# Allegro board FH8852v310_FH8856V310_APP_BOARD_V1.brd (continued)
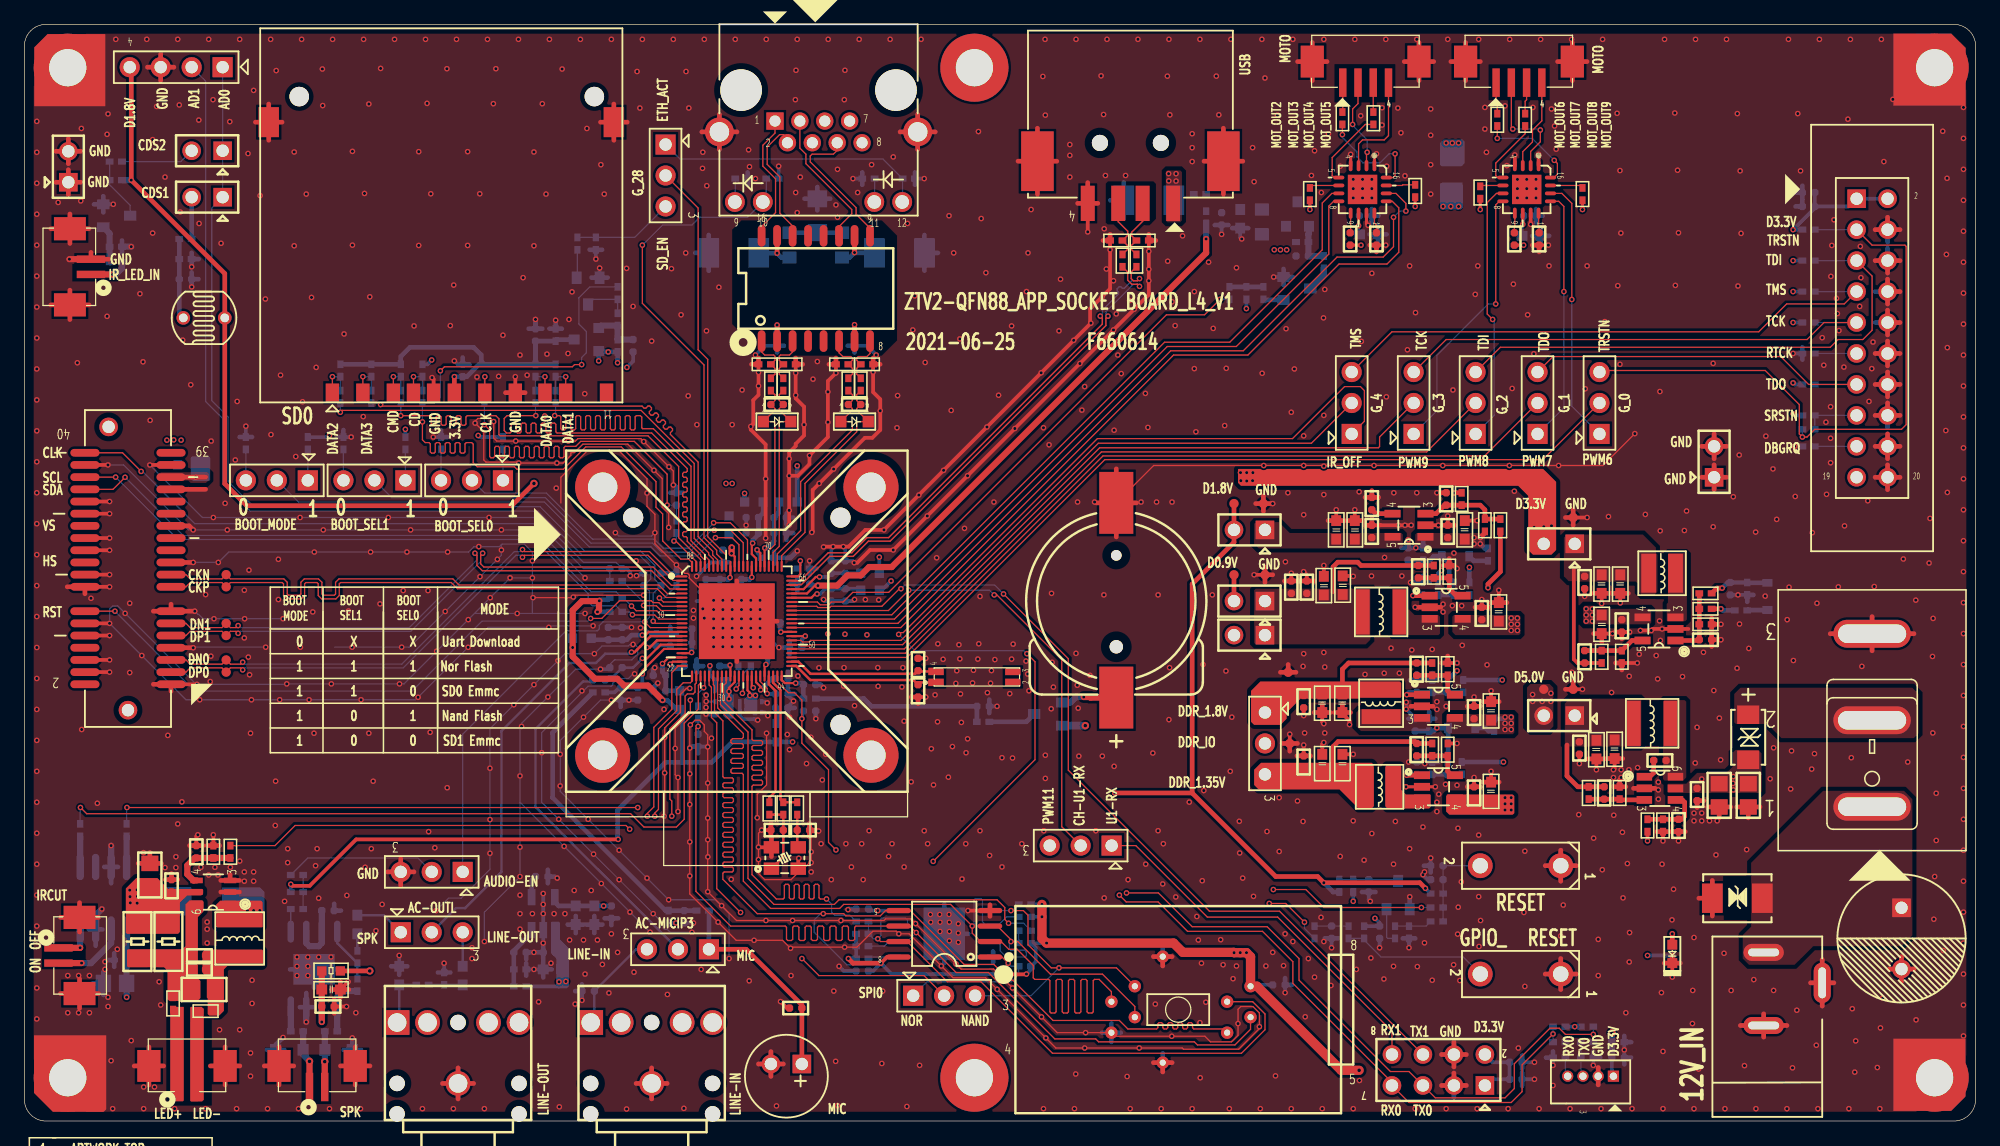
[diagram p0: board, top side]
## Routing (per net, layer and track width the routed paths; a pad name or vN(x,y) marks a point on that pad's centre or on a via; arc(x,y) is an arc through that point) (continued)
CIS_SCL: length 54.2
  TOP w0.102: U14.11 52.02,41.2 51.69,41.53 49.89,41.53 v1(49.86,41.55) ; J3.36 v1(7.48,52.84)
  BOTTOM w0.102: v1(49.86,41.55) 49.63,41.78 R34.2 48.51,42.29 46.56,42.29 46.23,42.62 46.23,43.28 41.78,47.73 12.6,47.73 v1(7.48,52.84)
CIS_SDA: length 54
  TOP w0.102: J3.34 7.27,51.84 v1(8.26,52.83) ; U14.10 52.18,41.55 51.85,41.88 50.17,41.88 v1(49.78,42.27)
  BOTTOM w0.102: v1(8.26,52.83) 13.03,48.06 41.86,48.06 46.48,43.43 48.51,43.43 R35.2 49.12,42.93 v1(49.78,42.27)
CLK_IN: length 10.8
  TOP w0.203: R39.2 61.09,26.54 61.59,27.05 61.59,35.3 61.05,35.85 U14.41
CLK_OUT: length 11.8
  TOP w0.203: R41.2 R40.1 62,26.39 62,35.36 61.4,35.97 U14.42
DDR_D1.8V: length 9.5
  TOP w0.381: 108.08,35.18 108.08,37.08 108.58,37.59 C27.1 R14.2
DDR_D1.35V: length 10.1
  TOP w0.381: R85.2 C66.1 114.02,31.14 107.72,31.14 107.31,30.73 107.31,28.96
DDR_IO: length 4.2
  TOP w0.178: v1(57.78,34.64) 57.77,34.64 v1(57.77,35.25) 57.77,35.55 58.24,36.02 U14.33 ; v1(59.94,34.92) v1(59.49,34.92) 59.49,35.15 59.3,35.35 U14.36
E0_CT1: length 2
  TOP w0.381: U23.2 v1(61.72,65.33)
  BOTTOM w0.381: C165.1 v1(61.72,65.33)
E0_CT2: length 2.1
  TOP w0.381: U23.7 v1(68.07,65.35)
  BOTTOM w0.381: C167.1 v1(68.07,65.35)
EN1: length 25.2
  TOP w0.381: R13.1 121.03,45.09 120.02,44.07 v1(120.02,43.76)
  VCC w0.381: v1(120.02,43.76) 120.12,43.66 120.12,39.43 117.65,36.96 v1(117.47,36.96) 117.47,33.91 v1(115.82,32.26)
  BOTTOM w0.381: R89.1 116.74,29.49 D4.K v1(115.82,32.26) 115.57,32 R19.1 C32.1 ; R20.1 v1(117.47,36.96)
EN2: length 5
  TOP w0.381: v1(139.22,43.74) 138.79,43.74 R12.1
  BOTTOM w0.381: D11.K 141.3,44.17 R84.1 C62.1 139.67,44.2 v1(139.22,43.74)
EN3: length 5.5
  BOTTOM w0.381: C33.1 R22.1 115.24,46.02 115.57,46.35 D5.K 116.84,45.75 116.84,44.58 R27.1
EPHY_RXN: length 18.7
  TOP w0.102: R181.2 68.25,59.61 68.25,59.13 C155.2 68.26,58.48 68.26,58.34 68.36,58.24 D32.K 68.35,57.4 68.25,57.3 68.25,56.57 64.01,52.32 64.01,48.31 62.1,46.4 U14.67
EPHY_RXP: length 18.7
  TOP w0.102: U14.68 61.75,46.55 63.65,48.46 63.65,52.47 67.89,56.71 67.89,57.3 67.79,57.4 D32.A 67.88,58.34 67.88,58.48 C155.1 67.89,59.13 67.89,59.61 R178.2
EPHY_TXN: length 16.3
  TOP w0.102: R177.2 61.9,59.61 61.9,59.13 C154.2 61.9,58.47 61.9,58.35 D20.K 62,57.4 61.9,57.3 61.9,47.17 61.4,46.66 U14.69
EPHY_TXP: length 16.3
  TOP w0.102: R174.2 61.54,59.61 61.54,59.13 C154.1 61.54,58.47 61.54,58.35 D20.A 61.44,57.4 61.54,57.3 61.54,47.32 61.05,46.82 U14.70
ETH_ACT: length 22.5
  BOTTOM w0.102: J17.12 72.01,75.45 D19.K 70.4,78.95 53.76,78.95 JP4.1
ETH_STA: length 42.4
  TOP w0.102: U14.81 57.19,46.11 56.77,46.53 56.77,46.84 55.73,47.88 55.73,62.05 50.67,67.11 v1(50.67,71.88)
  BOTTOM w0.102: D23.K 60.83,75.71 J17.10 59.29,74.17 55.37,74.17 54.74,73.53 52.32,73.53 v1(50.67,71.88)
GPIO_0: length 74.9
  TOP w0.102: U14.47 72.36,38.05 88.6,54.28 124.51,54.28 JP11.2
GPIO_1: length 69.7
  TOP w0.102: JP12.2 119.74,54.58 88.44,54.58 72.25,38.4 U14.48
GPIO_2: length 64.4
  TOP w0.102: U14.49 72.15,38.75 88.32,54.91 114.99,54.91 JP7.2
GPIO_3: length 59.8
  TOP w0.102: U14.50 63.57,39.1 63.68,38.99 64.38,38.99 64.49,39.1 72.01,39.1 88.17,55.25 111.02,55.25 111.12,55.36 111.12,56.13 JP9.2
GPIO_4: length 54.1
  TOP w0.102: U14.51 63.68,39.45 63.8,39.32 64.34,39.32 64.47,39.45 71.88,39.45 88.06,55.63 105.54,55.63 JP10.2
GPIO_28: length 34.1
  TOP w0.102: JP4.2 55.24,74.93 55.24,63.3 56.03,62.51 56.03,47.96 57.54,46.44 U14.80
GPIO_RESET: length 70.3
  TOP w0.102: v1(102.08,17.86) 103.43,17.86 v1(104.97,16.32) ; U14.24 55.09,35.95 54.99,35.85 54.99,35.2 54.84,35.05 54.36,35.05 54.18,34.87 54.18,33.45 52.93,32.21 52.93,26.42 53.09,26.26 v1(53.09,25.02)
  VCC w0.102: v1(102.08,17.86) 96.06,17.86 93.52,20.4 65.86,20.4 65.38,19.91 58.55,19.91 53.82,24.64 53.47,24.64 v1(53.09,25.02)
  BOTTOM w0.102: v1(104.97,16.32) 104.97,15.81 R166.2
HOLD: length 48.6
  TOP w0.102: U6.7 100.72,9.79 101.73,8.79 101.73,7.49 99.8,5.56 84.3,5.56 78.44,11.43 75.69,11.43 72.39,14.73 U9.7 70.21,14.73 v1(69.98,14.96)
  BOTTOM w0.102: U10.7 72.24,16 72.42,16.18 72.42,16.48 72.24,16.66 70.33,16.66 70.23,16.56 70.23,15.21 v1(69.98,14.96) 69.62,14.96 69.22,15.37 69.22,16.38
IR_LED_IN: length 3.2
  TOP w0.508: J13.1 v1(7.23,69.48)
  BOTTOM w0.508: v1(7.23,69.48) 7.49,69.48 8,69.99 8,70.48
IRCUT_OFF: length 152.2
  TOP w0.102: JP10.1 109.88,57.43 109.88,59.94 109.55,60.27 108.25,60.27 103.99,56.01 87.99,56.01 72.06,40.09 71.84,40.09 v1(71.69,39.94) ; v1(50.29,25.73) v1(8.41,25.73) ; v1(82.2,38.36) 82.87,37.69 82.87,29.66 v1(74.52,21.31)
  VCC w0.102: v1(74.52,21.31) 74.5,21.29 65.96,21.29 62.92,24.33 55.4,24.33 53.77,25.96 50.88,25.96 50.65,25.73 v1(50.29,25.73)
  BOTTOM w0.102: v1(8.41,25.73) 8.38,25.7 R144.2 ; v1(71.69,39.94) 73.02,38.61 81.95,38.61 v1(82.2,38.36)
IRCUT_ON: length 64.1
  TOP w0.102: U14.25 55.44,35.94 55.27,35.76 55.27,33.81 54.1,32.64 54.1,24.77 53.47,24.13 50.8,24.13 49.71,25.22 5.11,25.22 v1(4.6,25.73)
  BOTTOM w0.102: R145.2 4.57,25.7 v1(4.6,25.73)
IRCUT_OUT_OFF: length 3.3
  TOP w0.508: v1(4.57,14.22) 4.56,14.21 J15.1
  BOTTOM w0.508: U19.4 v1(4.57,14.22)
IRCUT_OUT_ON: length 6.1
  TOP w0.508: J15.2 v1(4.69,12.96)
  BOTTOM w0.508: v1(4.69,12.96) 5.47,12.96 7.11,14.61 U19.2
JTAG_RTCK: length 3.4
  BOTTOM w0.102: R139.1 U18.11
JTAG_SRSTN: length 4.6
  BOTTOM w0.102: R143.2 R141.1 U18.15
LDO_MICBIAS: length 12.3
  VCC w0.381: v1(53.42,16.26) 51.96,17.72 47.56,17.72 v1(47.5,17.65)
  BOTTOM w0.305: R103.2 v1(53.42,16.26)
  BOTTOM w0.381: U11.5 43.49,17.97 43.82,17.65 C110.1 C111.1 v1(47.5,17.65) C112.1
MIPI_CKN: length 47.3
  TOP w0.102: U14.5 53.51,43.3 53.48,43.27 52.74,43.27 52.02,43.99 35.64,43.99 35.13,44.5 25.8,44.5 25.52,44.22 25.52,43.26 25.41,43.15 24.5,43.15 24.4,43.26 24.4,44.22 24.12,44.5 22.95,44.5 22.67,44.22 22.67,43.26 22.57,43.15 21.66,43.15 21.55,43.26 21.55,44.22 21.27,44.5 16.89,44.5 T24.1 16.2,44.5 13.59,44.5 13.25,44.84 J3.19
MIPI_CKP: length 47.3
  TOP w0.102: J3.17 13.25,43.84 13.59,44.19 16.2,44.19 T23.1 16.89,44.19 21.15,44.19 21.25,44.09 21.25,43.13 21.53,42.85 22.7,42.85 22.98,43.13 22.98,44.09 23.08,44.19 23.99,44.19 24.09,44.09 24.09,43.13 24.37,42.85 25.54,42.85 25.82,43.13 25.82,44.09 25.92,44.19 35.01,44.19 35.51,43.69 51.89,43.69 52.61,42.97 53.48,42.97 53.5,42.95 U14.6
MIPI_D5.0V: length 2.7
  TOP w0.381: 12.15,52.84 v1(14.05,52.84) 14.86,52.84
MIPI_DN0: length 47.3
  TOP w0.102: U14.1 53.48,44.7 53.46,44.67 53.32,44.67 51.26,46.74 41.01,46.74 v1(40.84,46.9) ; v1(17.9,37.66) 17.74,37.5 16.89,37.5 T20.1 16.2,37.5 13.59,37.5 13.25,37.84 J3.5
  BOTTOM w0.102: v1(17.9,37.66) 18.07,37.5 30.94,37.5 40.18,46.74 40.68,46.74 v1(40.84,46.9)
MIPI_DN1: length 47.3
  TOP w0.102: U14.4 53.48,43.65 53.46,43.67 52.93,43.67 51.44,45.16 37.55,45.16 37.11,45.6 37.11,46.43 v1(36.94,46.6) ; v1(17.53,40.66) 17.36,40.5 16.89,40.5 T22.1 16.2,40.5 13.59,40.5 13.25,40.84 J3.11
  BOTTOM w0.102: v1(36.94,46.6) 37.11,46.43 37.11,46.05 31.55,40.5 17.69,40.5 v1(17.53,40.66)
MIPI_DP0: length 47.3
  TOP w0.102: v1(17.9,37.03) 17.74,37.19 16.89,37.19 T19.1 16.2,37.19 13.59,37.19 13.25,36.84 J3.3 ; U14.2 53.49,44.35 53.47,44.37 53.19,44.37 51.13,46.43 41.01,46.43 v1(40.84,46.27)
  BOTTOM w0.102: v1(17.9,37.03) 18.07,37.19 31.07,37.19 40.31,46.43 40.68,46.43 v1(40.84,46.27)
MIPI_DP1: length 47.3
  TOP w0.102: v1(17.53,40.03) 17.36,40.19 16.89,40.19 T21.1 16.2,40.19 13.59,40.19 13.25,39.84 J3.9 ; U14.3 53.5,44 53.47,43.97 53.05,43.97 51.56,45.47 37.68,45.47 37.41,45.73 37.41,46.43 v1(37.58,46.6)
  BOTTOM w0.102: v1(37.58,46.6) 37.41,46.43 37.41,45.92 31.68,40.19 17.69,40.19 v1(17.53,40.03)
MOTO_OUT_2: length 9.4
  TOP w0.102: v1(112.39,79.38) 112.39,77.6 112.23,77.43 U26.16 ; R150.1 v1(108.08,80.95)
  BOTTOM w0.102: v1(112.39,79.38) 111.9,79.38 111.16,78.64 109.76,78.64 109.27,79.13 109.27,79.52 108.08,80.72 v1(108.08,80.95)
MOTO_OUT_3: length 7.5
  TOP w0.102: U26.2 110.05,79.45 v1(110.11,79.5) ; v1(108.92,81.79) 108.92,83.06 109.36,83.5 J19.2
  BOTTOM w0.102: v1(110.11,79.5) 110.11,80.52 108.92,81.71 v1(108.92,81.79)
MOTO_OUT_4: length 6.6
  TOP w0.102: U26.5 107.41,77.43 107.24,77.6 107.24,79.07 109.96,81.79 R151.1
MOTO_OUT_5: length 8.9
  TOP w0.102: J19.4 111.86,80.87 111.51,80.52 109.73,80.52 109.4,80.19 U26.3
MOTO_OUT_6: length 8.4
  TOP w0.102: v1(125.45,78.84) 125.7,78.59 125.7,77.7 125.44,77.43 U27.16 ; R152.1 v1(120.78,80.64)
  BOTTOM w0.102: v1(120.78,80.64) 123.65,80.64 v1(125.45,78.84)
MOTO_OUT_7: length 9.4
  TOP w0.102: J20.2 121.93,81.52 v1(122.05,81.41) ; U27.2 123.52,79.57 124.31,80.37 v1(124.31,81.33)
  BOTTOM w0.102: v1(122.05,81.41) 124.21,81.41 124.28,81.33 v1(124.31,81.33)
MOTO_OUT_8: length 5.7
  TOP w0.102: U27.5 120.82,77.43 120.65,77.6 120.65,78.61 123.06,81.03 R153.1
MOTO_OUT_9: length 7.5
  TOP w0.102: U27.3 122.86,79.55 123.66,80.35 123.66,81.32 124.43,82.08 J20.4
NAND_CS: length 24.3
  TOP w0.102: v1(80.9,17.27) 81.92,17.27 82.3,16.89 82.3,14.48 84.2,12.57 v1(84.84,12.57) 89.55,12.57 U6.1
  BOTTOM w0.102: v1(84.84,12.57) 82.55,10.29 JP14.3 ; U10.1 v1(80.9,17.27) 81.03,17.27 R59.2
NOR_CS: length 12.7
  TOP w0.102: v1(80.67,12.95) 80.16,13.46 U9.1
  BOTTOM w0.102: JP14.1 74.02,11.43 80.92,11.43 81.53,12.04 R52.2 80.92,12.7 v1(80.67,12.95)
PHY_RN: length 11.6
  TOP w0.102: J17.6 66.65,79.66 66.34,79.35 64.59,79.35 64.44,79.2 64.44,78.71 68.2,74.96 68.2,74.42 69.34,73.28 U23.9
PHY_RP: length 11.6
  TOP w0.102: U23.11 66.8,73.41 67.84,74.45 67.84,74.81 64.08,78.57 64.08,79.35 63.59,79.84 J17.3
PHY_TN: length 10.7
  TOP w0.102: U23.14 62.99,73.46 61.95,74.5 61.95,77.47 60.91,78.51 60.91,79.93 61.92,80.95 62.26,80.95 62.57,80.64 J17.2
PHY_TP: length 10.7
  TOP w0.102: J17.1 61.55,81.08 60.55,80.08 60.55,78.36 61.59,77.32 61.59,74.55 60.45,73.41 U23.16
PWM11: length 71.6
  TOP w0.102: v1(49.63,23.95) 49.33,24.26 22.2,24.26 20.55,22.61 R108.1
  VCC w0.102: JP22.3 83.31,23.37 64.9,23.37 61.85,26.42 50.34,26.42 49.66,25.73 49.66,23.98 v1(49.63,23.95)
PWM_2: length 68.4
  TOP w0.102: U14.55 71.63,40.85 94,63.22 99.95,63.22 107.64,70.9 111.42,70.9 112.27,71.75 v1(112.27,74.17) ; v1(113.28,74.68) 113.28,75.31 112.47,76.13 U26.14
  BOTTOM w0.102: v1(112.27,74.17) 112.78,74.68 v1(113.28,74.68)
PWM_3: length 67.4
  TOP w0.102: U26.13 112.17,75.48 112.7,74.95 112.7,71.3 111.73,70.33 107.8,70.33 100.33,62.87 94.23,62.87 94.13,62.76 71.86,40.5 U14.54
PWM_4: length 61.4
  TOP w0.102: U26.7 107.21,76.13 106.43,75.34 106.43,71.5 98.84,63.92 93.49,63.92 71.13,41.55 U14.57
PWM_5: length 61.4
  TOP w0.102: U26.8 107.36,75.48 106.96,75.08 106.96,71.15 99.38,63.57 93.72,63.57 71.35,41.2 U14.56
PWM_6: length 22
  TOP w0.102: v1(126.89,67.42) 126.89,75.31 126.07,76.13 U27.14
  BOTTOM w0.102: JP11.1 126.89,58.66 v1(126.89,67.42)
PWM_7: length 20.8
  TOP w0.102: U27.13 125.82,75.48 126.24,75.06 v1(126.24,68.07)
  BOTTOM w0.102: v1(126.24,68.07) 126.24,58.55 JP12.1
PWM_8: length 21.5
  TOP w0.102: U27.7 120.71,76.13 119.95,75.37 119.95,66.23 v1(120.4,65.79)
  BOTTOM w0.102: JP7.1 120.52,57.91 120.52,65.66 v1(120.4,65.79)
PWM_9: length 22.7
  TOP w0.102: U27.8 120.94,75.48 120.65,75.18 v1(120.65,67.06)
  BOTTOM w0.102: v1(120.65,67.06) 120.04,67.06 115.82,62.84 115.82,58.29 JP9.1
RESETN: length 68.3
  TOP w0.102: v1(66.55,22.25) 65.94,22.86 65.94,28.83 63.75,31.01 v1(63.75,33.02) 63.75,34.54 63.14,35.15 62.64,35.15 61.75,36.04 U14.43 ; v1(114.55,17.53) 106.55,17.53 105.08,19 v1(102.41,19)
  VCC w0.102: v1(66.55,22.25) 66.57,22.23 79.63,22.23 80.75,21.11 91.16,21.11 91.62,21.56 95.94,21.56 98.5,19 v1(102.41,19)
  BOTTOM w0.102: C190.2 63.88,33.15 v1(63.75,33.02) ; v1(114.55,17.53) R172.2
RTC_VBAT: length 14.7
  BOTTOM w0.381: R61.1 C102.1 69.47,34.04 68.83,34.67 64.9,34.67
RTC_XIN: length 12.5
  TOP w0.203: U14.45 63.29,37.35 64.44,36.2 72.9,36.2 C79.2 73.46,36 U8.1
RTC_XOUT: length 12.4
  TOP w0.203: U8.4 73.34,36.9 C81.2 73.03,36.7 64.47,36.7 63.47,37.7 U14.46
SD0_3.3V: length 28.8
  TOP w0.381: J4.6 v1(35.26,61.09)
  BOTTOM w0.381: MQ1.3 43.69,64.14 R74.2 C104.1 R67.1 ; R66.1 R67.1 ; R67.1 37.72,62.1 ; 37.72,62.1 37.47,62.36 37.47,62.87 36.83,63.5 31.62,63.5 30.86,62.74 R82.1 R64.1 R65.1 ; 37.72,62.1 37.29,62.1 36.27,61.09 v1(35.26,61.09)
SD0_CD: length 65.6
  TOP w0.102: U14.88 54.74,45.85 54.47,46.12 53.83,46.12 52.34,47.61 52.34,49.82 51.79,50.37 51.79,52.48 48.95,55.32 46.02,55.32 44.2,53.49 40.39,53.49 40.18,53.7 37.13,53.7 36.8,54.03 36.8,55.55 36.68,55.68 36.23,55.68 36.13,55.58 36.13,54.91 36.03,54.81 35.83,54.81 35.72,54.91 35.72,55.58 35.62,55.68 35.42,55.68 35.32,55.58 35.32,54.91 35.22,54.81 35.01,54.81 34.91,54.91 34.91,55.58 34.81,55.68 34.61,55.68 34.5,55.58 34.5,54.91 34.4,54.81 34.2,54.81 34.1,54.91 34.1,55.58 34,55.68 33.79,55.68 33.69,55.58 33.69,54.91 33.59,54.81 33.39,54.81 33.29,54.91 33.29,55.58 33.18,55.68 32.87,55.68 32.64,55.91 v1(32.64,57.38) ; v1(34.11,61.57) 34.44,61.9 44.93,61.9 45.11,62.08 v1(45.69,62.08)
  BOTTOM w0.102: v1(32.64,57.38) R77.1 33.66,58.93 34.11,59.39 v1(34.11,61.57) ; R75.1 46.35,68.45 45.47,67.56 45.47,65.41 46.08,64.8 46.08,63.04 45.69,62.66 v1(45.69,62.08)
SD0_CLK: length 37.3
  TOP w0.102: v1(37.72,57.15) 38.15,56.72 38.15,54.53 38.25,54.43 38.46,54.43 38.56,54.53 38.56,55.27 38.66,55.37 38.86,55.37 38.96,55.27 38.96,54.53 39.07,54.43 39.27,54.43 39.37,54.53 39.37,55.27 39.47,55.37 39.67,55.37 39.78,55.27 39.78,54.53 39.88,54.43 40.08,54.43 40.18,54.53 40.18,55.27 40.28,55.37 40.49,55.37 40.59,55.27 40.59,54.53 40.69,54.43 40.89,54.43 41,54.53 41,55.27 41.1,55.37 41.3,55.37 41.4,55.27 41.4,54.53 41.5,54.43 41.71,54.43 41.81,54.53 41.81,55.27 41.91,55.37 42.11,55.37 42.21,55.27 42.21,54.53 42.32,54.43 42.52,54.43 42.62,54.53 42.62,55.27 42.72,55.37 42.93,55.37 43.03,55.27 43.03,54.53 43.13,54.43 43.33,54.43 43.43,54.53 43.43,55.27 43.54,55.37 43.74,55.37 43.84,55.27 43.84,54.53 43.94,54.43 44.15,54.43 44.25,54.53 44.25,55.27 44.35,55.37 45.21,55.37 45.62,55.78 50.01,55.78 52.7,53.09 v1(52.7,50.55)
  BOTTOM w0.102: R204.1 C178.1 v1(52.7,50.55) ; R72.1 v1(37.72,57.15)
SD0_CMD: length 40.6
  TOP w0.102: U14.86 55.44,46.08 53.65,47.88 53.65,53.72 51.13,56.24 39.01,56.24 38.91,56.34 38.91,57.63 38.66,57.89 36.31,57.89 36.21,57.78 36.21,57.2 36.11,57.1 35.9,57.1 35.8,57.2 35.8,57.78 35.7,57.89 35.5,57.89 35.39,57.78 35.39,57.2 35.29,57.1 35.09,57.1 34.99,57.2 34.99,57.78 34.89,57.89 34.68,57.89 34.58,57.78 34.58,57.2 34.48,57.1 34.28,57.1 34.18,57.2 34.18,57.78 34.07,57.89 33.87,57.89 33.77,57.78 33.77,57.2 33.67,57.1 33.46,57.1 33.36,57.2 33.36,57.78 33.26,57.89 v1(30.86,57.89)
  BOTTOM w0.102: R79.1 v1(30.86,57.89)
SD0_DATA_0: length 40.3
  TOP w0.102: v1(41.94,57.89) 39.58,57.89 39.34,57.66 39.34,56.67 39.55,56.46 39.82,56.46 39.92,56.57 39.92,57.18 40.02,57.28 40.23,57.28 40.33,57.18 40.33,56.57 40.43,56.46 40.63,56.46 40.73,56.57 40.73,57.18 40.84,57.28 41.04,57.28 41.14,57.18 41.14,56.57 41.24,56.46 41.44,56.46 41.55,56.57 41.55,57.18 41.65,57.28 41.85,57.28 41.95,57.18 41.95,56.57 42.05,56.46 42.26,56.46 42.36,56.57 42.36,57.18 42.46,57.28 42.66,57.28 42.77,57.18 42.77,56.57 42.87,56.46 43.07,56.46 43.17,56.57 43.17,57.18 43.27,57.28 43.48,57.28 43.58,57.18 43.58,56.57 43.68,56.46 51.44,56.46 54.36,53.54 54.36,53.34 54.25,53.24 54.08,53.24 53.98,53.14 53.98,52.93 54.08,52.83 54.25,52.83 54.36,52.73 54.36,52.53 54.25,52.43 54.08,52.43 53.98,52.33 53.98,52.12 54.08,52.02 54.25,52.02 54.36,51.92 54.36,51.72 54.25,51.61 54.08,51.61 53.98,51.51 53.98,51.31 54.08,51.21 54.25,51.21 54.36,51.11 54.36,50.9 54.25,50.8 54.08,50.8 53.98,50.7 53.98,50.5 54.08,50.39 54.25,50.39 54.36,50.29 54.36,50.09 54.25,49.99 54.08,49.99 53.98,49.89 53.98,49.68 54.08,49.58 54.25,49.58 54.36,49.48 54.36,49.28 54.25,49.18 54.08,49.18 53.98,49.07 53.98,48.87 54.08,48.77 54.25,48.77 54.36,48.67 54.36,48.46 54.25,48.36 54.08,48.36 53.98,48.26 53.98,48.06 54.08,47.96 54.25,47.96 54.36,47.85 54.36,47.57 55.45,46.48 55.45,46.38 55.79,46.03 U14.85
  BOTTOM w0.102: v1(41.94,57.89) 41.94,57.91 41.91,57.94 R68.1
SD0_DATA_1: length 40.2
  TOP w0.102: U14.84 56.14,46.04 55.8,46.38 55.8,46.48 54.66,47.62 54.66,53.73 51.58,56.82 50.7,56.82 50.62,56.9 50.62,57.77 50.5,57.89 50.18,57.89 50.08,57.79 50.08,56.82 49.98,56.72 49.78,56.72 49.68,56.82 49.68,57.79 49.57,57.89 49.37,57.89 49.27,57.79 49.27,56.82 49.17,56.72 48.96,56.72 48.86,56.82 48.86,57.79 48.76,57.89 48.56,57.89 48.46,57.79 48.46,56.82 48.35,56.72 48.15,56.72 48.05,56.82 48.05,57.79 47.95,57.89 47.75,57.89 47.64,57.79 47.64,56.82 47.54,56.72 47.34,56.72 47.24,56.82 47.24,57.79 47.14,57.89 46.93,57.89 46.83,57.79 46.83,56.82 46.73,56.72 46.53,56.72 46.42,56.82 46.42,57.79 46.32,57.89 46.12,57.89 46.02,57.79 46.02,56.82 45.92,56.72 45.71,56.72 45.61,56.82 45.61,57.79 45.51,57.89 45.31,57.89 45.21,57.79 45.21,56.82 45.1,56.72 44.9,56.72 44.8,56.82 44.8,57.79 44.7,57.89 44.49,57.89 44.39,57.79 44.39,56.82 44.29,56.72 44.09,56.72 43.99,56.82 43.99,57.79 43.88,57.89 v1(43.48,57.89)
  BOTTOM w0.102: R69.1 43.56,58.14 43.48,58.06 v1(43.48,57.89)
SD0_DATA_2: length 40.7
  TOP w0.102: v1(25.91,58.17) 26.07,58.32 50.57,58.32 54.93,53.96 54.93,47.82 56.11,46.63 56.11,46.48 56.49,46.1 U14.83
  BOTTOM w0.102: R70.1 v1(25.91,58.17)
SD0_DATA_3: length 40.7
  TOP w0.102: v1(29.21,58.8) 29.34,58.67 50.65,58.67 50.82,58.51 50.96,58.51 51.13,58.68 51.28,58.68 51.42,58.53 51.42,58.39 51.25,58.22 51.25,58.07 51.39,57.93 51.53,57.93 51.71,58.1 51.85,58.1 52,57.96 52,57.82 51.82,57.64 51.82,57.5 51.97,57.35 52.11,57.35 52.28,57.53 52.43,57.53 52.57,57.38 52.57,57.24 52.4,57.07 52.4,56.92 52.54,56.78 52.68,56.78 52.86,56.95 53,56.95 53.15,56.81 53.15,56.67 52.97,56.49 52.97,56.35 55.24,54.08 55.24,47.96 56.44,46.76 56.44,46.46 56.84,46.05 U14.82
  BOTTOM w0.102: v1(29.21,58.8) 29.08,58.93 R71.1
SD0_EN: length 8.3
  BOTTOM w0.102: JP4.3 50.04,72.52 R80.1 R78.1
SPI0_CLK: length 84.3
  TOP w0.102: U6.6 100.54,7.53 99.26,6.25 96.19,6.25 95.94,6.5 88.09,6.5 87.85,6.74 84.49,6.74 79.04,12.19 76.4,12.19 v1(73.13,15.47) 72.59,16 U9.6 68.18,16 68.08,15.9 68.08,14.92 67.98,14.82 67.67,14.82 67.57,14.92 67.57,15.9 67.47,16 67.17,16 67.06,15.9 67.06,14.92 66.96,14.82 66.66,14.82 66.56,14.92 66.56,15.9 66.46,16 66.15,16 66.05,15.9 66.05,14.92 65.95,14.82 65.64,14.82 65.54,14.92 65.54,15.9 65.44,16 65.13,16 65.03,15.9 65.03,14.92 64.93,14.82 64.63,14.82 64.52,14.92 64.52,15.9 64.42,16 64.12,16 64.02,15.9 64.02,14.92 63.92,14.82 63.61,14.82 63.51,14.92 63.51,15.9 63.41,16 63.1,16 63,15.9 63,14.92 62.9,14.82 62.59,14.82 62.49,14.92 62.49,15.9 62.39,16 57.91,16 55.07,18.85 55.07,32.21 v1(55.24,32.38)
  BOTTOM w0.102: C177.1 v1(55.24,32.38) R203.1 ; 69.22,14.35 70.51,14.35 70.89,14.73 U10.6 72.39,14.73 v1(73.13,15.47)
SPI0_CSN_0: length 40
  TOP w0.102: U14.27 56.14,35.79 56.34,35.6 56.34,33.12 56.77,32.69 56.77,19.07 v1(58.72,17.12) ; JP14.2 73.77,11.94 65.15,11.94 v1(63.75,13.34)
  VCC w0.102: v1(63.75,13.34) 62.51,13.34 v1(58.72,17.12)
SPI0_D_2: length 43.5
  TOP w0.102: v1(80.7,16.23) 80.39,16.54 80.39,17.53 79.76,18.16 66.8,18.16 66.42,17.78 61.47,17.78 59.33,19.91 59.33,31.93 57.07,34.19 57.07,35.86 57.19,35.99 U14.30
  BOTTOM w0.102: R51.1 81.94,16.23 v1(80.7,16.23)
SPI0_D_3: length 44
  TOP w0.102: U14.31 57.54,35.95 57.33,35.74 57.33,34.44 59.66,32.11 59.66,31.33 59.77,31.23 60.43,31.23 60.53,31.13 60.53,30.92 60.43,30.82 59.77,30.82 59.66,30.72 59.66,30.52 59.77,30.42 60.43,30.42 60.53,30.31 60.53,30.11 60.43,30.01 59.77,30.01 59.66,29.91 59.66,29.7 59.77,29.6 60.43,29.6 60.53,29.5 60.53,29.3 60.43,29.2 59.77,29.2 59.66,29.09 59.66,28.89 59.77,28.79 60.43,28.79 60.53,28.69 60.53,28.49 60.43,28.38 59.77,28.38 59.66,28.28 59.66,28.08 59.77,27.98 60.43,27.98 60.53,27.88 60.53,27.67 60.43,27.57 59.77,27.57 59.66,27.47 59.66,20.22 61.66,18.22 62.21,18.22 62.32,18.33 62.32,19.33 62.42,19.43 62.62,19.43 62.72,19.33 62.72,18.33 62.82,18.22 63.03,18.22 63.13,18.33 63.13,19.33 63.23,19.43 63.43,19.43 63.53,19.33 63.53,18.33 63.64,18.22 63.84,18.22 63.94,18.33 63.94,19.33 64.04,19.43 64.25,19.43 64.35,19.33 64.35,18.33 64.45,18.22 64.65,18.22 64.75,18.33 64.75,19.33 64.86,19.43 65.06,19.43 65.16,19.33 65.16,18.33 65.26,18.22 v1(65.77,18.22)
  BOTTOM w0.102: R58.2 67.69,16.89 66.45,16.89 66.19,17.14 66.19,17.81 v1(65.77,18.22)
SPI0_RXD: length 90.1
  TOP w0.102: U6.2 89.13,10.62 88.13,11.63 87.75,11.63 87.65,11.52 87.65,8.97 87.54,8.87 87.24,8.87 87.14,8.97 87.14,11.52 87.04,11.63 86.73,11.63 86.63,11.52 86.63,8.97 86.53,8.87 86.22,8.87 86.12,8.97 86.12,11.52 86.02,11.63 85.72,11.63 85.61,11.52 85.61,8.97 85.51,8.87 85.21,8.87 85.11,8.97 85.11,11.52 85,11.63 84.7,11.63 84.6,11.52 84.6,8.97 84.5,8.87 84.19,8.87 84.09,8.97 84.09,11.52 83.99,11.63 82.85,11.63 82.73,11.75 82.73,12.78 81.41,14.1 80.72,14.1 80.09,14.73 U9.2 78.41,14.73 77.72,15.42 v1(77.72,16) 75.95,17.78 67.18,17.78 66.85,17.45 61.19,17.45 58.95,19.68 58.95,28.44 58.85,28.54 58.04,28.54 57.94,28.64 57.94,28.82 58.06,28.94 58.85,28.94 58.95,29.05 58.95,29.25 58.85,29.35 58.04,29.35 57.94,29.45 57.94,29.63 58.06,29.76 58.85,29.76 58.95,29.86 58.95,30.06 58.85,30.16 58.04,30.16 57.94,30.27 57.94,30.44 58.06,30.57 58.85,30.57 58.95,30.67 58.95,30.88 58.85,30.98 58.04,30.98 57.94,31.08 57.94,31.26 58.06,31.38 58.85,31.38 58.95,31.48 58.95,31.8 56.84,33.91 U14.29
  BOTTOM w0.102: R53.2 80.54,16.76 79.78,16 U10.2 78.92,16 78.56,16.36 78.56,18.14 78.44,18.26 77.98,18.26 77.88,18.16 77.88,16.15 v1(77.72,16)
SPI0_TXD: length 92
  TOP w0.102: U6.5 98.32,7.56 95.89,7.56 95.79,7.66 95.79,7.98 95.69,8.08 95.48,8.08 95.38,7.98 95.38,7.66 95.28,7.56 95.08,7.56 94.98,7.66 94.98,7.98 94.87,8.08 94.67,8.08 94.57,7.98 94.57,7.66 94.47,7.56 94.26,7.56 94.16,7.66 94.16,7.98 94.06,8.08 93.86,8.08 93.76,7.98 93.76,7.66 93.65,7.56 93.45,7.56 93.35,7.66 93.35,7.98 93.25,8.08 93.05,8.08 92.94,7.98 92.94,7.66 92.84,7.56 90.49,7.56 89.79,8.26 84.35,8.26 81.05,11.56 80.79,11.56 79.5,12.85 77.06,12.85 72.64,17.27 U9.5 70.61,17.27 70.18,16.84 67.36,16.84 67.18,17.02 v1(65.51,17.02) 60.09,17.02 57.28,19.84 57.28,20.34 57.38,20.44 58.04,20.44 58.14,20.54 58.14,20.75 58.04,20.85 57.38,20.85 57.28,20.95 57.28,21.15 57.38,21.25 58.04,21.25 58.14,21.36 58.14,21.56 58.04,21.66 57.38,21.66 57.28,21.76 57.28,21.97 57.38,22.07 58.04,22.07 58.14,22.17 58.14,22.37 58.04,22.47 57.38,22.47 57.28,22.57 57.28,22.78 57.38,22.88 58.04,22.88 58.14,22.98 58.14,23.18 58.04,23.29 57.38,23.29 57.28,23.39 57.28,23.59 57.38,23.69 58.04,23.69 58.14,23.79 58.14,24 58.04,24.1 57.38,24.1 57.28,24.2 57.28,24.4 57.38,24.51 58.04,24.51 58.14,24.61 58.14,24.81 58.04,24.91 57.38,24.91 57.28,25.01 57.28,25.22 57.38,25.32 58.04,25.32 58.14,25.42 58.14,25.62 58.04,25.72 57.38,25.72 57.28,25.83 57.28,26.03 57.38,26.13 58.04,26.13 58.14,26.23 58.14,26.44 58.04,26.54 57.38,26.54 57.28,26.64 57.28,26.84 57.38,26.94 58.04,26.94 58.14,27.05 58.14,27.25 58.04,27.35 57.38,27.35 57.28,27.45 57.28,27.65 57.38,27.76 58.04,27.76 58.14,27.86 58.14,28.06 58.04,28.16 57.38,28.16 57.28,28.26 57.28,32.84 56.59,33.53 56.59,35.71 56.49,35.81 U14.28
  BOTTOM w0.102: v1(65.51,17.02) 65.28,17.02 64.77,16.51 64.77,15.49 67.44,12.83 68.71,12.83 69.34,13.46 U10.5
UART0_RX: length 103.8
  TOP w0.102: v1(125.35,7.15) 122.81,4.61 122.81,2.41 121.92,1.52 113.54,1.52 112.14,2.92 112.14,3.17 104.01,11.3 104.01,13.08 101.52,15.57 95.38,15.57 92.96,17.98 90.35,17.98 v1(89.79,18.54) ; v1(51.08,25.02) 51.08,25.25 51.61,25.78 51.61,32.31 53.09,33.78 53.09,36.8 53.63,37.35 U14.22
  VCC w0.102: v1(51.08,25.02) 51.08,24.89 56.95,19.02 89.31,19.02 v1(89.79,18.54)
  BOTTOM w0.102: R127.1 v1(125.35,7.15) R122.1
UART0_TX: length 105.7
  TOP w0.102: U14.23 54.74,36.1 54.61,35.97 54.03,35.97 53.49,35.43 53.49,33.68 51.99,32.18 51.99,25.58 51.69,25.27 v1(51.69,25.02) ; v1(128.65,7.11) 126.36,7.11 125.86,7.62 125.09,7.62 122.17,4.7 122.17,2.67 121.41,1.91 115.7,1.91 113.54,4.06 112.01,4.06 104.52,11.56 104.52,13.34 101.9,15.95 95.76,15.95 92.99,18.72 v1(90.37,18.72)
  VCC w0.102: v1(51.69,25.02) 57.4,19.3 89.79,19.3 v1(90.37,18.72)
  BOTTOM w0.102: R124.1 v1(128.65,7.11) R125.1
UART1_RX: length 31.2
  TOP w0.102: U15.8 112.14,7.37 102.77,16.74 97,16.74 91.14,22.61 JP22.1
UART1_TX: length 73.9
  TOP w0.102: v1(71.88,43.69) 71.75,43.69 70.31,42.25 66.14,42.25 66.03,42.14 65.07,42.14 64.97,42.25 U14.59 ; v1(80.29,43.26) 85.6,37.94 85.6,28.79 97.17,17.22 102.92,17.22 U15.6
  BOTTOM w0.102: v1(71.88,43.69) 72.19,43.99 79.55,43.99 v1(80.29,43.26)
USB_DM: length 42.1
  TOP w0.114: R146.1 90.76,69.68 90.76,69.13 90.93,68.96 91.27,68.96 v1(91.44,69.13) ; U14.65 63.41,44.35 63.44,44.32 63.6,44.32 65.91,46.63 67.84,46.63 69.09,47.88 70.87,47.88 88.39,65.41 88.39,65.88 v1(88.22,66.06)
  BOTTOM w0.114: v1(88.22,66.06) 88.4,66.24 88.4,66.55 89.71,67.86 89.71,68.02 89.6,68.13 89.6,68.29 89.77,68.46 89.93,68.46 90.04,68.35 90.2,68.35 90.81,68.96 91.27,68.96 v1(91.44,69.13)
USB_DP: length 42.1
  TOP w0.114: R147.1 90.47,69.68 90.47,69.01 90.81,68.67 91.27,68.67 v1(91.44,68.5) ; U14.64 63.38,44 63.41,44.03 63.72,44.03 66.03,46.34 67.96,46.34 69.21,47.59 70.99,47.59 88.68,65.28 88.68,65.88 v1(88.86,66.06)